# Altium PCB MOTHER_BOARD_LS1021_v1.0.PcbDoc (part 10 of 15)
Units mm, origin at the board's own origin, x right, y up, seen from the top; angles counter-clockwise.
Board outline 285 x 90.6 mm, 10 copper layers (TOP, GND1, SIGNAL1, GND+PWR1, POWER1, POWER2, GND+PWR2, SIGNAL2, GND2, BOTTOM), stack 1.739 mm thick; 1099 components, 832 nets, 4657 pads, 2737 vias.
Unrouted connection lines stored in the file: 7.
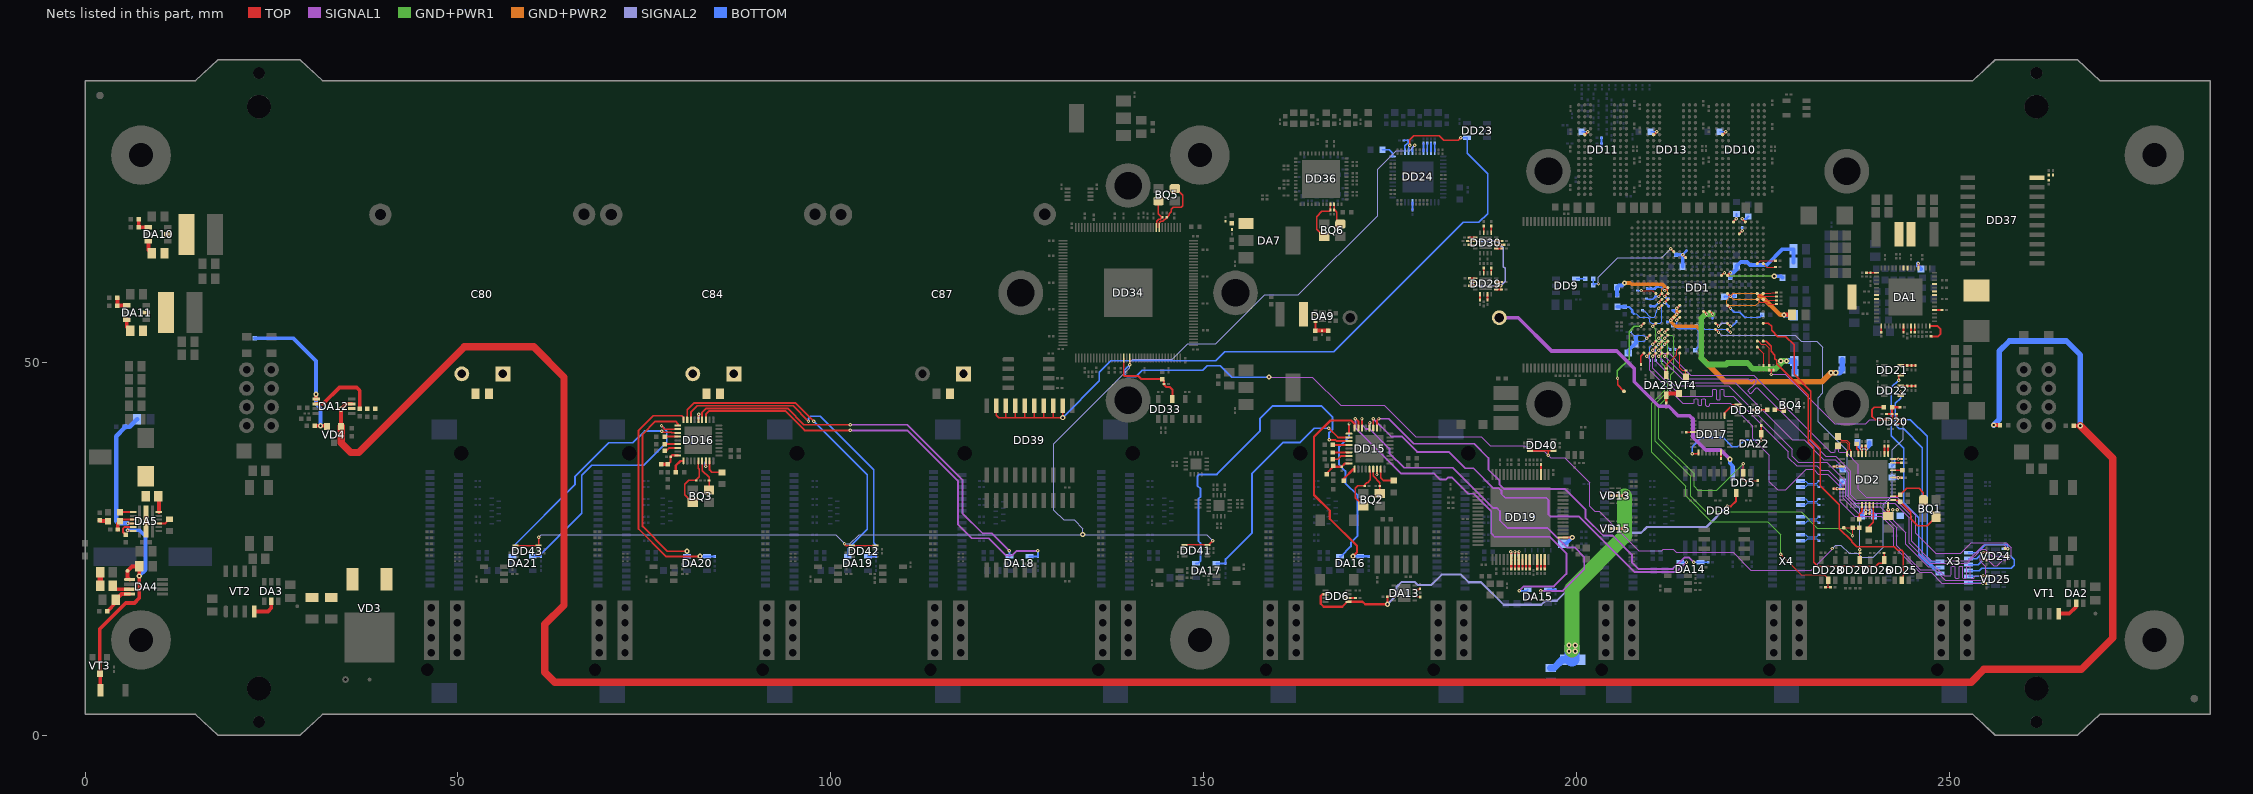
[diagram p18: the nets of this part, all layers, seen from the top]

## Via types
v1: diameter 0.45, hole 0.2, TOP to BOTTOM, tented both sides, 1587 vias
v2: diameter 0.7, hole 0.3, TOP to BOTTOM, tented both sides, 1134 vias
v3: diameter 0.45, hole 0.2, TOP to BOTTOM, tented bottom, 16 vias

## Nets (pads, with @x,y where several pads share a name; then routed paths per layer and width w, separated by ;. In a path a pad name is that pad's centre, name@x,y a point inside that pad or via, vN(x,y) a via of type N, cw(c..) or ccw(c..) an arc to the next point about the centre after c; other vN are vias at no path point) (continued)
MDC_RGMII: DD23.4 DD24.16 DD39.2 DD39.3 DD39.4 DD39.5 DD39.6 DD39.7 DD39.8 DD39.9 | length 111.8
  TOP w0.196: DD39.9@122.205,44.2 122.205,42.933 122.537,42.602 v2(131.098,42.602) 131.095,42.605 DD39.2@131.095,44.2 ; 123.475,42.606 DD39.8@123.475,44.2 ; 124.745,42.606 DD39.7@124.745,44.2 ; 126.015,42.606 DD39.6@126.015,44.2 ; 127.285,42.606 DD39.5@127.285,44.2 ; 128.555,42.606 DD39.4@128.555,44.2 ; 129.825,42.606 DD39.3@129.825,44.2 ; v1(177.666,79.109) 177.666,79.855 178.207,80.396 181.608,80.396 182.223,79.781 184.121,79.781 v1(184.491,80.151)
  BOTTOM w0.196: v2(131.098,42.602) 136.023,47.527 136.023,48.698 137.575,50.25 151.641,50.25 152.84,51.448 167.473,51.448 184.804,68.779 186.929,68.779 188.1,69.95 188.1,75.281 185.325,78.056 DD23.4@185.325,80.15 184.492,80.15 v1(184.491,80.151) ; DD24.16@177.5,78.275 177.5,78.943 v1(177.666,79.109)
MDC_SGMII0: DD21.4 X3.5 | length 30.2
  TOP w0.196: v1(243.198,47.619) 243.198,48.3 DD21.4@243.475,48.3
  BOTTOM w0.196: v1(243.198,47.619) 242.236,46.656 242.236,40.139 243.873,38.501 243.873,31.184 245.903,29.154 245.903,24.23 248.433,21.7 X3.5@248.775,21.7
MDC_SGMII1: DD22.4 X3.7 | length 27.7
  TOP w0.196: v1(243.464,46.107) 243.464,45.561 DD22.4@243.475,45.55
  BOTTOM w0.196: v1(243.464,46.107) 243.464,45.222 242.77,44.527 242.77,41.666 243.305,41.131 243.859,41.131 246.399,38.591 246.399,24.153 248.052,22.5 X3.7@248.775,22.5
MDIO: DD20.3 DD24.17 DD34.19 DD40.4 DD40.5 DD41.4 DD41.5 DD42.4 DD42.5 DD43.4 DD43.5 R227.2 R229.1 | length 354.5
  TOP w0.196: DD43.5@57.725,25.45 DD43.4@60.825,25.45 v1(60.825,26.575) ; v1(101.85,25.7) 102.1,25.45 DD42.5@102.875,25.45 DD42.4@105.975,25.45 ; DD34.19@140.075,50.575 140.075,49.685 140.092,49.702 v1(140.107,49.702) v1@140.087,49.682 ; DD41.5@147.425,25.525 DD41.4@150.525,25.525 150.681,25.525 v1(151.235,26.079) ; DD40.4@193.8,38.175 196.208,38.175 ; v1(196.208,37.576) 196.208,38.175 ; DD40.5@196.9,38.175 196.208,38.175 ; R227.2@225.85,49 226.137,49 ; v1(226.139,48.396) v1(226.139,48.396) 226.137,49 ; R229.1@226.425,49 226.137,49 ; DD20.3@242.875,41.75 v1(243.83,41.75)
  SIGNAL1 w0.113: v2(158.775,48.05) 164.575,48.05 168.375,44.25 174.25,44.25 178.475,40.025 187.225,40.025 188.45,38.8 193.1,38.8 193.775,38.125 195.659,38.125 v1(196.208,37.576) 196.559,37.225 198.45,37.225 201.775,33.9 201.775,30.7 202.425,30.05 203.05,30.05 208.325,24.775 211.425,24.775 211.625,24.975 212.95,24.975 213.4,24.525 221.025,24.525 223.4,22.15 231.475,22.15 234.3,24.975 234.3,25.04 v1(234.306,25.046) v1@234.335,25.075 ; v1(226.139,48.396) 227.995,48.396 234.616,41.775 238.775,41.775 239.35,42.35 242.2,42.35 242.8,41.75 v1(243.83,41.75)
  SIGNAL2 w0.113: v1(60.825,26.575) 61.15,26.9 100.65,26.9 v1(101.85,25.7) 102.575,25.7 103.793,26.918 113.033,26.918 113.04,26.925 v2(133.798,26.925) ; v1(151.235,26.079) 150.414,26.9 133.823,26.9 v2(133.798,26.925) ; v1(178.308,79.12) 177.613,78.425 175.825,78.425 173.325,75.925 173.325,69.7 162.675,59.05 158.175,59.05 151.625,52.5 147.875,52.5 145.806,50.431 140.506,50.431 140.107,50.032 v1(140.107,49.702) 140.107,49.282 129.925,39.1 129.925,30.175 131.225,28.875 132.625,28.875 133.798,27.702 v2(133.798,26.925) ; v1(234.306,25.046) 234.76,25.5 235.475,25.5 236.575,24.4 237.725,24.4 238.25,23.875 239.8,23.875 241.157,25.232 241.157,30.932 242.375,32.15 242.375,38.275 243.83,39.73 v1(243.83,41.75)
  BOTTOM w0.196: v1(140.107,49.702) 139.4,48.996 139.4,48.425 139.75,48.075 140.875,48.075 141.775,48.975 149.875,48.975 150.475,49.575 152.25,49.575 153.775,48.05 v2(158.775,48.05) ; DD24.17@178,78.275 178,78.812 v1(178.308,79.12)
MDIO_SGMII: DD20.4 R214.2 X3.9 | length 24
  TOP w0.196: R214.2@242.925,43.1 242.925,42.4 DD20.4@242.875,42.35 v1(243.475,42.35)
  BOTTOM w0.196: v1@243.475,42.349 244.785,42.349 247.062,40.072 247.062,23.909 247.671,23.3 X3.9@248.775,23.3
MMC_CLK: DD1.D1 R295.2 VD25.7 X3.4 | length 73.3
  TOP w0.196: v1(209.45,50.85) DD1.D1@209.85,51.25 ; v1(254.525,20.4) 254.95,20.4 R295.2@254.975,20.375
  SIGNAL1 w0.113: v1(209.45,50.85) 209.85,50.45 209.85,48.95 214.282,44.518 215.543,44.518 215.697,44.518 215.799,44.621 215.799,45.04 215.902,45.143 216.21,45.143 216.312,45.04 216.312,44.518 216.312,44.34 216.415,44.238 216.723,44.238 216.825,44.34 216.825,44.518 216.825,45.04 216.928,45.143 217.236,45.143 217.338,45.04 217.338,44.518 217.338,44.255 217.441,44.152 217.749,44.152 217.851,44.255 217.851,44.416 217.954,44.518 218.25,44.518 220.607,44.518 223.662,41.463 223.662,39.763 225.875,37.55 225.875,34.007 226.982,32.9 228.1,32.9 230.85,35.65 231.8,35.65 232.45,35 233.725,35 235.36,33.364 235.36,31.332 237.308,29.385 240.866,29.385 242.564,27.687 242.564,25.36 246.051,21.873 247.547,21.873 249.02,20.4 v1(254.525,20.4)
  BOTTOM w0.196: X3.4@252.575,20.5 252.675,20.4 v1(254.525,20.4) VD25.7@255.1,20.4
MMC_CMD: DD1.E2 R296.2 VD25.9 X3.6 | length 73.2
  TOP w0.196: v1(210.25,51.65) DD1.E2@210.65,52.05 ; v1(254.525,21.4) R296.2@254.975,21.4
  SIGNAL1 w0.113: v1(210.25,51.65) 210.65,51.25 210.65,50.175 212.25,48.575 212.25,47.8 213.15,46.9 220.4,46.9 228.935,38.365 228.935,37.442 229.777,36.6 233.589,36.6 236.112,34.077 236.112,31.92 237.401,30.631 240.726,30.631 244.181,27.176 244.181,25.613 247.178,22.617 248.109,22.617 249.326,21.4 250.022,21.4 250.175,21.4 250.278,21.503 250.278,22.575 250.381,22.678 250.688,22.678 250.791,22.575 250.791,21.4 250.791,21.138 250.894,21.035 251.201,21.035 251.304,21.138 251.304,21.4 251.304,22.575 251.407,22.678 251.714,22.678 251.817,22.575 251.817,21.4 251.817,21.138 251.92,21.035 252.227,21.035 252.33,21.138 252.33,21.4 252.33,22.575 252.433,22.678 252.74,22.678 252.843,22.575 252.843,21.4 252.843,21.138 252.946,21.035 253.253,21.035 253.356,21.138 253.356,21.297 253.459,21.4 253.898,21.4 v1(254.525,21.4)
  BOTTOM w0.196: X3.6@252.575,21.3 254.425,21.3 v1(254.525,21.4) VD25.9@255.1,21.4
MMC_DAT0: DD1.E1 R291.2 VD24.9 X3.12 | length 73.2
  TOP w0.196: v1(210.25,50.85) DD1.E1@210.65,51.25 ; v1(254.525,24.525) R291.2@254.975,24.525
  SIGNAL1 w0.113: v1(210.25,50.85) 210.25,49.25 214.045,45.455 218.018,45.455 218.172,45.455 218.274,45.557 218.274,46.337 218.377,46.44 218.685,46.44 218.787,46.337 218.787,45.455 218.787,45.082 218.89,44.979 219.198,44.979 219.3,45.082 219.3,45.455 219.3,46.337 219.403,46.44 219.711,46.44 219.813,46.337 219.813,45.557 219.916,45.455 221.02,45.455 228.425,38.05 228.425,37.225 229.525,36.125 232.197,36.125 232.802,35.52 233.765,35.52 235.769,33.516 235.769,31.785 237.774,29.779 240.992,29.779 242.929,27.842 242.929,25.389 246.108,22.21 248.025,22.21 249.435,20.8 254.465,20.8 254.907,21.242 254.907,22.604 254.144,23.367 254.144,24.143 v1(254.525,24.525)
  BOTTOM w0.196: X3.12@252.575,23.7 253.7,23.7 v1(254.525,24.525) VD24.9@255.1,24.525
MMC_DAT1: DD1.F2 R292.2 VD24.7 X3.10 | length 73.2
  TOP w0.196: v1(211.05,51.65) DD1.F2@211.45,52.05 ; v1(254.525,23.525) R292.2@255,23.525
  SIGNAL1 w0.113: v1(211.05,51.65) 211.468,51.231 212.419,51.231 214.143,49.507 214.143,49.49 215.359,48.275 223.8,48.275 234.125,37.95 234.435,37.95 234.589,37.95 234.692,38.053 234.692,38.318 234.794,38.421 235.102,38.421 235.205,38.318 235.205,38.053 235.307,37.95 236.169,37.95 237.806,36.312 237.806,35.865 237.806,34.09 237.806,34.089 237.806,32.985 238.846,31.944 243.039,31.944 245.487,29.495 245.487,27.079 248.179,24.387 251.517,24.387 252.955,25.825 257.625,25.825 258.325,25.125 258.325,23.85 258.006,23.531 257.223,23.531 256.41,22.718 255.99,22.718 255.184,23.525 v1(254.525,23.525)
  BOTTOM w0.196: X3.10@252.575,22.9 253.9,22.9 v1(254.525,23.525) VD24.7@255.1,23.525
MMC_DAT2: DD1.F1 R293.2 VD24.3 X3.8 | length 73.2
  TOP w0.196: v1(211.05,50.85) DD1.F1@211.45,51.25 ; R293.2@257.425,24 257.45,24.025 v1(257.85,24.025)
  SIGNAL1 w0.113: v1(211.05,50.85) 214.625,47.275 221.275,47.275 228.925,39.625 230.525,39.625 233.175,36.975 234.723,36.975 236.487,35.212 236.487,32.025 237.379,31.132 242.657,31.132 244.627,29.163 244.627,25.727 247.304,23.051 252.43,23.051 254.354,24.975 254.825,24.975 255.775,24.025 v1(257.85,24.025)
  BOTTOM w0.196: X3.8@252.575,22.1 254.025,22.1 254.325,22.4 258.3,22.4 258.725,22.825 258.725,23.525 258.225,24.025 v1(257.85,24.025) VD24.3@257.3,24.025
MMC_DAT3: DD1.G1 R294.2 VD24.1 X3.14 | length 73.2
  TOP w0.196: v1(211.85,50.85) DD1.G1@212.25,51.25 ; R294.2@257.425,25.025 v1(257.85,25.025)
  SIGNAL1 w0.113: v1(211.85,50.85) 214.875,47.825 223.05,47.825 223.287,47.588 223.396,47.479 223.541,47.479 223.78,47.717 223.925,47.717 224.143,47.5 224.143,47.355 223.832,47.043 223.05,46.262 223.05,46.117 223.268,45.9 223.413,45.9 224.122,46.608 224.267,46.608 224.638,46.237 233.425,37.45 234.782,37.45 236.793,35.439 236.793,32.232 237.503,31.522 242.798,31.522 244.968,29.352 244.968,25.996 247.522,23.441 252.458,23.441 254.591,25.575 257.3,25.575 v1(257.85,25.025)
  BOTTOM w0.196: X3.14@252.575,24.5 253.775,24.5 254.85,25.575 257.675,25.575 257.85,25.4 v1(257.85,25.025) VD24.1@257.3,25.025
NetBQ1_1: BQ1.1 C204.1 DD2.2 | length 5.8
  TOP w0.196: DD2.2@242.475,32.05 243.225,32.05 C204.1@243.425,32.25 244.275,33.1 245.975,33.1 246.525,32.55 BQ1.1@246.525,31.5
NetBQ1_3: BQ1.3 C205.1 DD2.1 | length 8.2
  TOP w0.196: DD2.1@242.475,31.55 243.225,31.55 C205.1@243.425,31.35 244.831,29.944 244.831,29.044 245.75,28.125 247.05,28.125 BQ1.3@248.225,29.3
NetBQ2_1: BQ2.1 C297.1 DD15.33 | length 3.6
  TOP w0.196: DD15.33@172.75,35.7 172.75,34.775 173.625,33.9 C297.1@173.625,33.45 BQ2.1@173.625,32.425
NetBQ2_3: BQ2.3 C298.1 DD15.32 | length 7
  TOP w0.196: BQ2.3@171.425,30.725 170.325,31.825 170.325,33.1 170.675,33.45 C298.1@171.625,33.45 171.625,33.625 171.9,33.9 172.025,33.9 172.375,34.25 172.375,35.575 DD15.32@172.25,35.7
NetBQ3_1: BQ3.1 C299.1 DD16.33 | length 4.3
  TOP w0.196: DD16.33@82.75,36.8 82.75,35.506 83.675,34.581 C299.1@83.675,34.175 BQ3.1@83.675,32.925
NetBQ3_3: BQ3.3 C300.1 DD16.32 | length 7.4
  TOP w0.196: BQ3.3@81.475,31.225 80.45,32.25 80.45,33.675 80.95,34.175 C300.1@81.975,34.175 81.975,34.275 82.375,34.675 82.375,35.675 82.25,35.8 DD16.32@82.25,36.8
NetBQ4_3: BQ4.3 C309.2 | length 1.2
  TOP w0.196: C309.2@226.6,43.65 BQ4.3@227.825,43.65
NetBQ5_1: BQ5.1 C371.2 DD34.81 | length 4.3
  TOP w0.196: DD34.81@143.675,68.075 143.698,68.075 143.698,68.938 143.985,69.225 144.2,69.225 C371.2@144.475,69.5 144.4,69.5 143.95,69.95 BQ5.1@143.95,71.625
NetBQ5_3: BQ5.3 C372.2 DD34.80 | length 7.9
  TOP w0.196: DD34.80@144.075,68.075 144.075,68.728 144.276,68.929 144.554,68.929 145.05,69.425 C372.2@145.05,69.5 145.105,69.5 145.398,69.793 145.398,69.95 145.652,70.204 145.652,70.55 145.927,70.825 147,70.825 147.2,71.025 147.2,72.45 146.325,73.325 BQ5.3@146.15,73.325
NetBQ6_1: BQ6.1 C402.2 DD36.46 | length 3.2
  TOP w0.196: DD36.46@167.5,71.225 C402.2@167.5,70.45 167.555,70.45 167.848,70.157 167.848,68.877 168.15,68.575 BQ6.1@168.35,68.575
NetBQ6_3: BQ6.3 C403.2 DD36.45 | length 6.1
  TOP w0.196: BQ6.3@166.15,66.875 165.15,67.875 165.15,69.55 165.873,70.273 166.823,70.273 C403.2@167,70.45 DD36.45@167,71.225
NetC3_1: C3.1 DA1.51 | length 0.8
  TOP w0.25: C3.1@244.875,54.075 DA1.51@244.875,54.9
NetC4_2: C4.2 DA1.52 | length 0.8
  TOP w0.25: C4.2@245.375,54.075 DA1.52@245.375,54.9
NetC5_1: C5.1 DA1.49 | length 0.8
  TOP w0.25: C5.1@243.875,54.075 DA1.49@243.875,54.9
NetC6_2: C6.2 DA1.43 | length 0.8
  TOP w0.25: C6.2@240.875,54.075 DA1.43@240.875,54.9
NetC39_1: C39.1 C40.2 DA1.29 | length 1.4
  TOP w0.25: C40.2@238.9,62.025 DA1.29@240.25,62.025
NetC50_1: C50.1 C51.2 | length 1.8
  TOP w0.75: C50.1@2.025,20.075 C51.2@2.025,21.85
NetC50_2: C50.2 DA4.3 | length 2.4
  TOP w0.5: C50.2@3.725,20.075 4.2,19.6 DA4.3@5.975,19.6
NetC52_2: C52.2 R12.1 | length 1.2
  TOP w0.5: C52.2@1.95,28.85 2.075,28.725 R12.1@3.075,28.725
NetC53_2: C53.2 DA5.14 | length 2.5
  TOP w0.25: 5.075,27.7 5.326,27.951 6.424,27.951 DA5.14@6.45,27.925
  TOP w0.3: 5.075,27.7 5.075,27.25 C53.2@5.45,26.875
NetC56_2: C56.2 DA5.12 R12.2 | length 3.1
  TOP w0.25: R12.2@4.675,28.725 4.875,28.925 DA5.12@6.45,28.925
  TOP w0.5: C56.2@4.375,27.6 4.375,28.425 R12.2@4.675,28.725
NetC57_1: C57.1 DA1.18 | length 1.6
  TOP w0.25: v1(245.825,63.266) 245.875,63.266 DA1.18@245.875,62.65
  BOTTOM w0.5: v1@245.8,63.266 245.8,62.925 C57.1@246.2,62.525
NetC62_1: C62.1 DA5.8 L7.1
NetC62_2: C62.2 DA5.6 | length 2.2
  TOP w0.5: C62.2@9.825,32.05 9.9,31.975 DA5.6@9.9,29.925
NetC68_1: C68.1 DA7.1 R17.1 R18.2
NetC71_1: C71.1 DA9.4 R20.1 R21.1 | length 2.9
  TOP w0.3: R20.1@165,54.275 DA9.4@165,55.45
  TOP w0.5: R20.1@165,54.275 R21.1@166.725,54.275
NetC80_1: C80.1 R22.2 R23.2 R26.1 VD3.A1 VD3.A2
NetC80_2: C80.2 C84.1 R26.2 R30.1
NetC81_1: C81.1 DA10.2 L9.1
NetC81_2: C81.2 DA10.6 | length 1.8
  TOP w0.5: DA10.6@8.5,66.225 8.5,65.075 C81.2@8.95,64.625
NetC82_1: C82.1 DA11.2 L10.1
NetC82_2: C82.2 DA11.6 | length 1.7
  TOP w0.5: DA11.6@5.6,55.75 5.6,54.725 C82.2@6.05,54.275
NetC83_2: C83.2 DA12.2 DA12.6 R25.2 R28.2 | length 9.4
  TOP w0.5: DA12.6@30.975,44.45 31.925,44.45 34.125,46.65 36.425,46.65 36.85,46.225 C83.2@36.85,43.8
NetC84_2: C84.2 C87.1 R30.2 R36.1
NetC94_2: C94.2 C95.1 DD1.G12 R39.2 | length 3.3
  TOP w0.2: v1(211.85,59.65) DD1.G12@212.25,60.05
  BOTTOM w0.2: 210.946,60.125 211.017,60.125 211.042,60.1 211.4,60.1 v1(211.85,59.65)
  BOTTOM w0.3: R39.2@209.45,59.9 210.5,59.9 C95.1@210.525,59.925 210.725,60.125 210.946,60.125
NetC96_1: C96.1 DD1.F10 R40.2 | length 1.9
  TOP w0.2: v1(211.05,58.05) DD1.F10@211.45,58.45
  BOTTOM w0.3: R40.2@209.925,57.55 210.425,57.55 C96.1@210.45,57.525 210.45,57.55 210.55,57.55 v1(211.05,58.05)
NetC97_1: C97.1 DD1.F11 R41.2 | length 2.4
  TOP w0.2: v1(211.05,58.85) DD1.F11@211.45,59.25
  BOTTOM w0.2: R41.2@209.425,58.575 209.425,58.5 210.258,58.5 210.55,58.792 C97.1@210.55,58.85
  BOTTOM w0.3: C97.1@210.55,58.85 v1(211.05,58.85)
NetC100_1: C100.1 C106.1 DD1.N8 DD1.P8 L11.2 | length 25.8
  TOP w0.2: DD1.N8@217.05,56.85 v1(217.45,56.45) ; DD1.P8@217.85,56.85 v1(218.25,56.45)
  GND+PWR1 w0.75: v1(218.25,56.45) v1(217.45,56.45) 217.26,56.45 216.75,55.94 216.75,50.56 217.585,49.725 220.05,49.725 220.25,49.925 222.925,49.925 223.7,49.15 226.7,49.15 227.4,49.85 v2(227.4,50.2) v2(228.175,50.2)
  BOTTOM w0.3: v1(217.45,56.45) v1(218.25,56.45) C106.1@218.25,55.925
  BOTTOM w0.75: v2(227.4,50.2) v2(228.175,50.2) C100.1@229.2,50.2 229.3,50.1 L11.2@229.3,48.625
NetC101_2: C101.2 C103.1 C108.1 DD1.U11 R42.2 | length 23.7
  TOP w0.3: DD1.U11@220.25,59.25 v1(220.65,58.85)
  TOP w0.6: v2(227.85,56.375) R42.2@228.925,56.375
  GND+PWR2 w0.13: v1(220.65,58.85) 221.05,59.25 224.15,59.25 224.5,58.9 ; v1(220.65,58.85) 221.05,58.45 224.05,58.45 224.5,58.9 ; v1(220.65,58.85) 220.15,58.35 220.15,57.9 220.4,57.65 224.05,57.65 224.5,58.1 224.5,58.9
  GND+PWR2 w0.6: 224.5,58.9 224.8,58.9 227.325,56.375 v2(227.85,56.375)
  BOTTOM w0.3: C103.1@219.85,58.8 219.9,58.85 v1(220.65,58.85) 221.125,58.85 C108.1@221.225,58.95
  BOTTOM w0.6: v2(227.85,56.375) 227.875,56.35 C101.2@229.15,56.35
NetC102_2: C102.2 C104.1 C109.1 DD1.U14 R43.2 | length 13.4
  TOP w0.3: DD1.U14@220.25,61.65 v1(220.65,62.05)
  BOTTOM w0.5: C109.1@220.65,61.35 v1(220.65,62.05) 221.05,62.05 221.475,62.475 C104.1@221.475,62.925 222.025,63.475 222.875,63.475 223.275,63.075 225.512,63.075 227.637,65.2 C102.2@229.1,65.2 R43.2@229.1,63.375
NetC110_2: C110.2 C113.2 DD1.K17 R44.1 | length 3.8
  TOP w0.3: v1(214.25,64.45) DD1.K17@214.65,64.05
  BOTTOM w0.3: v1(214.25,64.45) 214.25,64.475 C110.2@214.75,64.975
  BOTTOM w0.5: C113.2@213.35,64.45 v1(214.25,64.45) R44.1@214.25,62.85
NetC111_2: C111.2 C114.2 DD1.G10 R45.1 | length 11.5
  TOP w0.3: v1(211.85,58.05) DD1.G10@212.25,58.45
  BOTTOM w0.13: 207.7,56.525 208.023,56.525 208.488,56.06 209.592,56.06 209.84,55.812 209.84,55.485 210.065,55.26 211.212,55.26 211.44,55.488 211.44,57.64 v1(211.85,58.05)
  BOTTOM w0.3: C114.2@206.5,57.475 206.524,57.451 207.074,57.451 207.475,57.05 207.475,56.75 207.7,56.525 ; v1(211.85,58.05) 211.875,58.05 C111.2@212.375,57.55
  BOTTOM w0.5: R45.1@205.475,57.475 C114.2@206.595,57.475
NetC112_2: C112.2 C115.2 DD1.G11 R46.1 | length 12.5
  TOP w0.2: v1(211.85,58.85) DD1.G11@212.25,59.25
  GND+PWR2 w0.13: 211.46,59.24 211.46,59.812 211.825,60.177 211.825,60.225 211.827,60.225 212.24,59.812 212.24,59.26 211.85,58.87 v1(211.85,58.85) 211.46,59.24
  GND+PWR2 w0.5: v2(206.435,60.653) 207.222,60.653 207.4,60.475 211.575,60.475 211.825,60.225
  BOTTOM w0.3: v1(211.85,58.85) 212.125,58.575 C112.2@212.375,58.575
  BOTTOM w0.5: C115.2@205.45,59.025 R46.1@205.45,60.1 205.675,60.325 206.107,60.325 v2(206.435,60.653) v2@206.435,60.665
NetC119_2: C119.2 C126.2 C140.2 DD1.D4 L13.1 | length 8.2
  TOP w0.2: v1(209.45,53.25) DD1.D4@209.85,53.65
  BOTTOM w0.13: C119.2@207.275,54.075 207.275,54.025 C126.2@207.9,53.4 ; C140.2@207.85,52.45 208.26,52.86 209.06,52.86 v1(209.45,53.25) ; C126.2@207.975,53.4 208.22,53.645 C126.2@208.225,53.65
  BOTTOM w0.14: C126.2@207.975,53.4 207.975,53.645 208.22,53.645 209.055,53.645 v1(209.45,53.25)
  BOTTOM w0.5: L13.1@206.975,51.275 206.975,51.625 207.975,52.625 C126.2@207.975,53.4
NetC120_2: C120.2 C127.2 C141.2 C154.2 DD1.H7 DD1.J8 DD1.J9 L14.1 | length 37.7
  TOP w0.3: v1(212.65,55.65) DD1.H7@213.05,56.05 ; v1(213.45,56.45) DD1.J8@213.85,56.85 ; v1(213.45,57.25) DD1.J9@213.85,57.65
  GND+PWR2 w0.4: v1(212.65,55.65) v1(213.45,56.45) v1(213.45,57.25)
  GND+PWR2 w0.5: v1(212.65,55.65) 212.65,55.46 213.26,54.85 216.1,54.85 216.725,54.225 216.725,50.65
  GND+PWR2 w0.75: 216.725,50.65 219.975,47.4 232.9,47.4 v2(234.125,48.625) v2(234.778,48.625)
  BOTTOM w0.3: C127.2@212.15,55.425 212.425,55.425 v1(212.65,55.65) 212.65,55.3 C141.2@212.95,55 ; v1(213.45,56.45) 213.45,56.475 C120.2@212.925,57 213.2,57 v1(213.45,57.25)
  BOTTOM w0.75: v2(234.125,48.625) v2(234.778,48.625) 235.25,48.625 C154.2@235.625,49 L14.1@235.625,50.35
NetC191_2: C191.2 C192.2 C193.2 C198.2 C203.2 C206.2 DD2.7 DD2.19 DD2.27 DD2.43 DD2.48 L17.2 R48.1 R49.1 R50.1 R51.1 | length 9.9
  TOP w0.25: v1(234.95,36.05) DD2.27@235.625,36.05 ; DD2.19@238.8,37.725 238.8,38.325 v1(238.875,38.4) ; DD2.43@239.3,30.875 239.3,30.275 v1(239.375,30.2) ; v1(241.8,30.25) DD2.48@241.8,30.875 ; DD2.7@242.475,34.55 v1(243.15,34.55)
  TOP w0.3: C206.2@234.5,36.05 v1(234.95,36.05) ; C203.2@238.8,38.85 238.8,38.475 v1(238.875,38.4) ; C198.2@239.3,29.75 239.375,29.825 v1(239.375,30.2) ; v1(243.15,34.55) C193.2@243.6,34.55
  TOP w0.5: C192.2@241.8,29.425 v1(241.8,30.25)
  BOTTOM w0.5: v1(234.95,36.05) 235.275,36.05 R50.1@235.7,35.625 ; v1(238.875,38.4) 239.3,38.825 R49.1@239.3,39.275 ; v1(239.375,30.2) 239.875,29.7 R51.1@239.875,29.375 ; R48.1@242.325,34.55 v1(243.15,34.55)
  other v1: 242.4,30.25 243,30.25
NetC194_2: C194.2 C199.2 DD2.12 R48.2 | length 2.7
  TOP w0.25: DD2.12@242.475,37.05 v1(243.15,37.05)
  TOP w0.3: v1(243.15,37.05) C199.2@243.6,37.05
  BOTTOM w0.3: R48.2@242.325,36.15 242.65,36.475 C194.2@242.65,37.05 v1(243.15,37.05)
NetC195_2: C195.2 C200.2 DD2.20 R49.2 | length 2.8
  TOP w0.25: v1(238.25,38.4) 238.3,38.35 DD2.20@238.3,37.725
  TOP w0.3: v1(238.25,38.4) 238.25,38.8 C200.2@238.3,38.85
  BOTTOM w0.3: v1(238.25,38.4) 238.3,38.35 C195.2@238.3,37.9
  BOTTOM w0.5: R49.2@237.7,39.275 237.7,38.95 v1(238.25,38.4)
NetC196_2: C196.2 C201.2 DD2.33 R50.2 | length 2.7
  TOP w0.25: v1(234.95,33.05) DD2.33@235.625,33.05
  TOP w0.3: C201.2@234.475,33.05 v1(234.95,33.05)
  BOTTOM w0.3: v1(234.95,33.05) C196.2@235.425,33.05 235.425,33.75 R50.2@235.7,34.025
NetC197_2: C197.2 C202.2 DD2.42 R51.2 | length 2.8
  TOP w0.25: v1@238.8,30.1 238.8,30.175 DD2.42@238.8,30.875
  TOP w0.3: v1(238.775,30.2) 238.8,30.175 C202.2@238.8,29.75
  BOTTOM w0.3: v1(238.775,30.2) 238.775,30.65 C197.2@238.8,30.675
  BOTTOM w0.5: R51.2@238.275,29.375 238.275,29.7 v1(238.775,30.2)
NetC211_1: C211.1 DA13.2 | length 0.7
  TOP w0.25: DA13.2@178.325,18.575 179.025,18.575 C211.1@179.05,18.55
NetC212_1: C212.1 DA13.4 | length 0.7
  TOP w0.25: DA13.4@178.325,19.575 178.925,19.575 C212.1@179.025,19.675
NetC235_1: C235.1 R97.2 R98.2 | length 1.3
  BOTTOM w0.3: C235.1@203.375,78.8 R97.2@203.375,79.35 R98.2@203.375,80.15
NetC289_2: C289.2 DD15.27 R159.2 R163.1 | length 3.8
  TOP w0.3: R159.2@166.5,35.025 166.5,35.144 167.4,36.044 R163.1@167.4,36.125 167.5,36.025 C289.2@168.525,36.025 168.95,36.45 DD15.27@169.5,36.45
NetC290_2: C290.2 DD16.27 R160.2 R164.1 | length 3.1
  TOP w0.3: R164.1@78.15,36.35 78.525,36.725 C290.2@78.525,37.35 78.725,37.55 DD16.27@79.5,37.55
  TOP w0.5: R160.2@77.25,36.35 R164.1@78.15,36.35
NetC293_1: C293.1 DD15.34 | length 1.2
  TOP w0.25: v1(173.25,34.975) DD15.34@173.25,35.7
  BOTTOM w0.3: v1(173.25,34.975) C293.1@173.25,35.425
NetC294_1: C294.1 DD16.34 | length 1.2
  TOP w0.25: v1(83.25,36.05) DD16.34@83.25,36.8
  BOTTOM w0.3: v1(83.25,36.05) C294.1@83.25,36.525
NetC295_1: C295.1 DD15.14 | length 1.3
  TOP w0.25: DD15.14@172.25,41.2 172.25,41.925 172.252,41.927 v1(172.308,41.927)
  BOTTOM w0.3: C295.1@172.25,41.475 172.308,41.533 v1(172.308,41.927)
NetC296_1: C296.1 DD16.14 | length 1.3
  TOP w0.25: DD16.14@82.25,42.3 82.25,43.05 82.252,43.052 v1(82.304,43.052)
  BOTTOM w0.3: C296.1@82.25,42.575 82.304,42.629 v1(82.304,43.052)
NetC303_2: C303.2 DD17.12 | length 0.9
  TOP w0.25: C303.2@214.75,40.65 DD17.12@215.65,40.65
NetC309_1: C309.1 DD18.2 R180.2 | length 1.7
  TOP w0.196: DD18.2@223.875,43.625 223.9,43.65 C309.1@225.6,43.65
NetC322_1: C322.1 R211.2 VD13.3 VD13.8 VD15.3 VD15.8 | length 31.9
  TOP w0.4: VD15.8@204.785,27.725 VD15.3@205.665,27.725 v2(206.425,27.725) ; VD13.8@204.785,32.125 VD13.3@205.665,32.125 v2(206.425,32.125)
  GND+PWR1 w2: 199.425,11.425 199.425,19.675 206.425,26.675 v2(206.425,27.725) v2(206.425,32.125)
  BOTTOM w1: R211.2@196.55,9.025 196.988,9.025 198.088,10.125 C322.1@199.5,10.125
  BOTTOM w2: C322.1@199.425,10.2 199.425,11.863
  other v2: 199,11.275 199.85,11.275 199,12.075 199.85,12.075
NetC326_1: C326.1 DD21.5 R216.2 R217.2 | length 2
  TOP w0.3: DD21.5@243.475,49.6 C326.1@244.375,49.6 R216.2@244.925,49.6 R217.2@245.475,49.6
NetC327_1: C327.1 DD22.5 R218.2 R219.2 | length 2
  TOP w0.3: DD22.5@243.475,46.85 R218.2@244.925,46.85 R219.2@245.475,46.85